# Altium PCB Thunderscope_Rev2.PCBDOC (part 3 of 6)
Units mm, origin at the board's own origin, x right, y up, seen from the top; angles counter-clockwise.
Board outline 119 x 104 mm, 6 copper layers (Top Layer, Int1 (GND), Int2 (Sign), Int3 (Sign), Int4 (GND), Bottom Layer), stack 1.49 mm thick; 547 components, 321 nets, 1905 pads, 1168 vias.
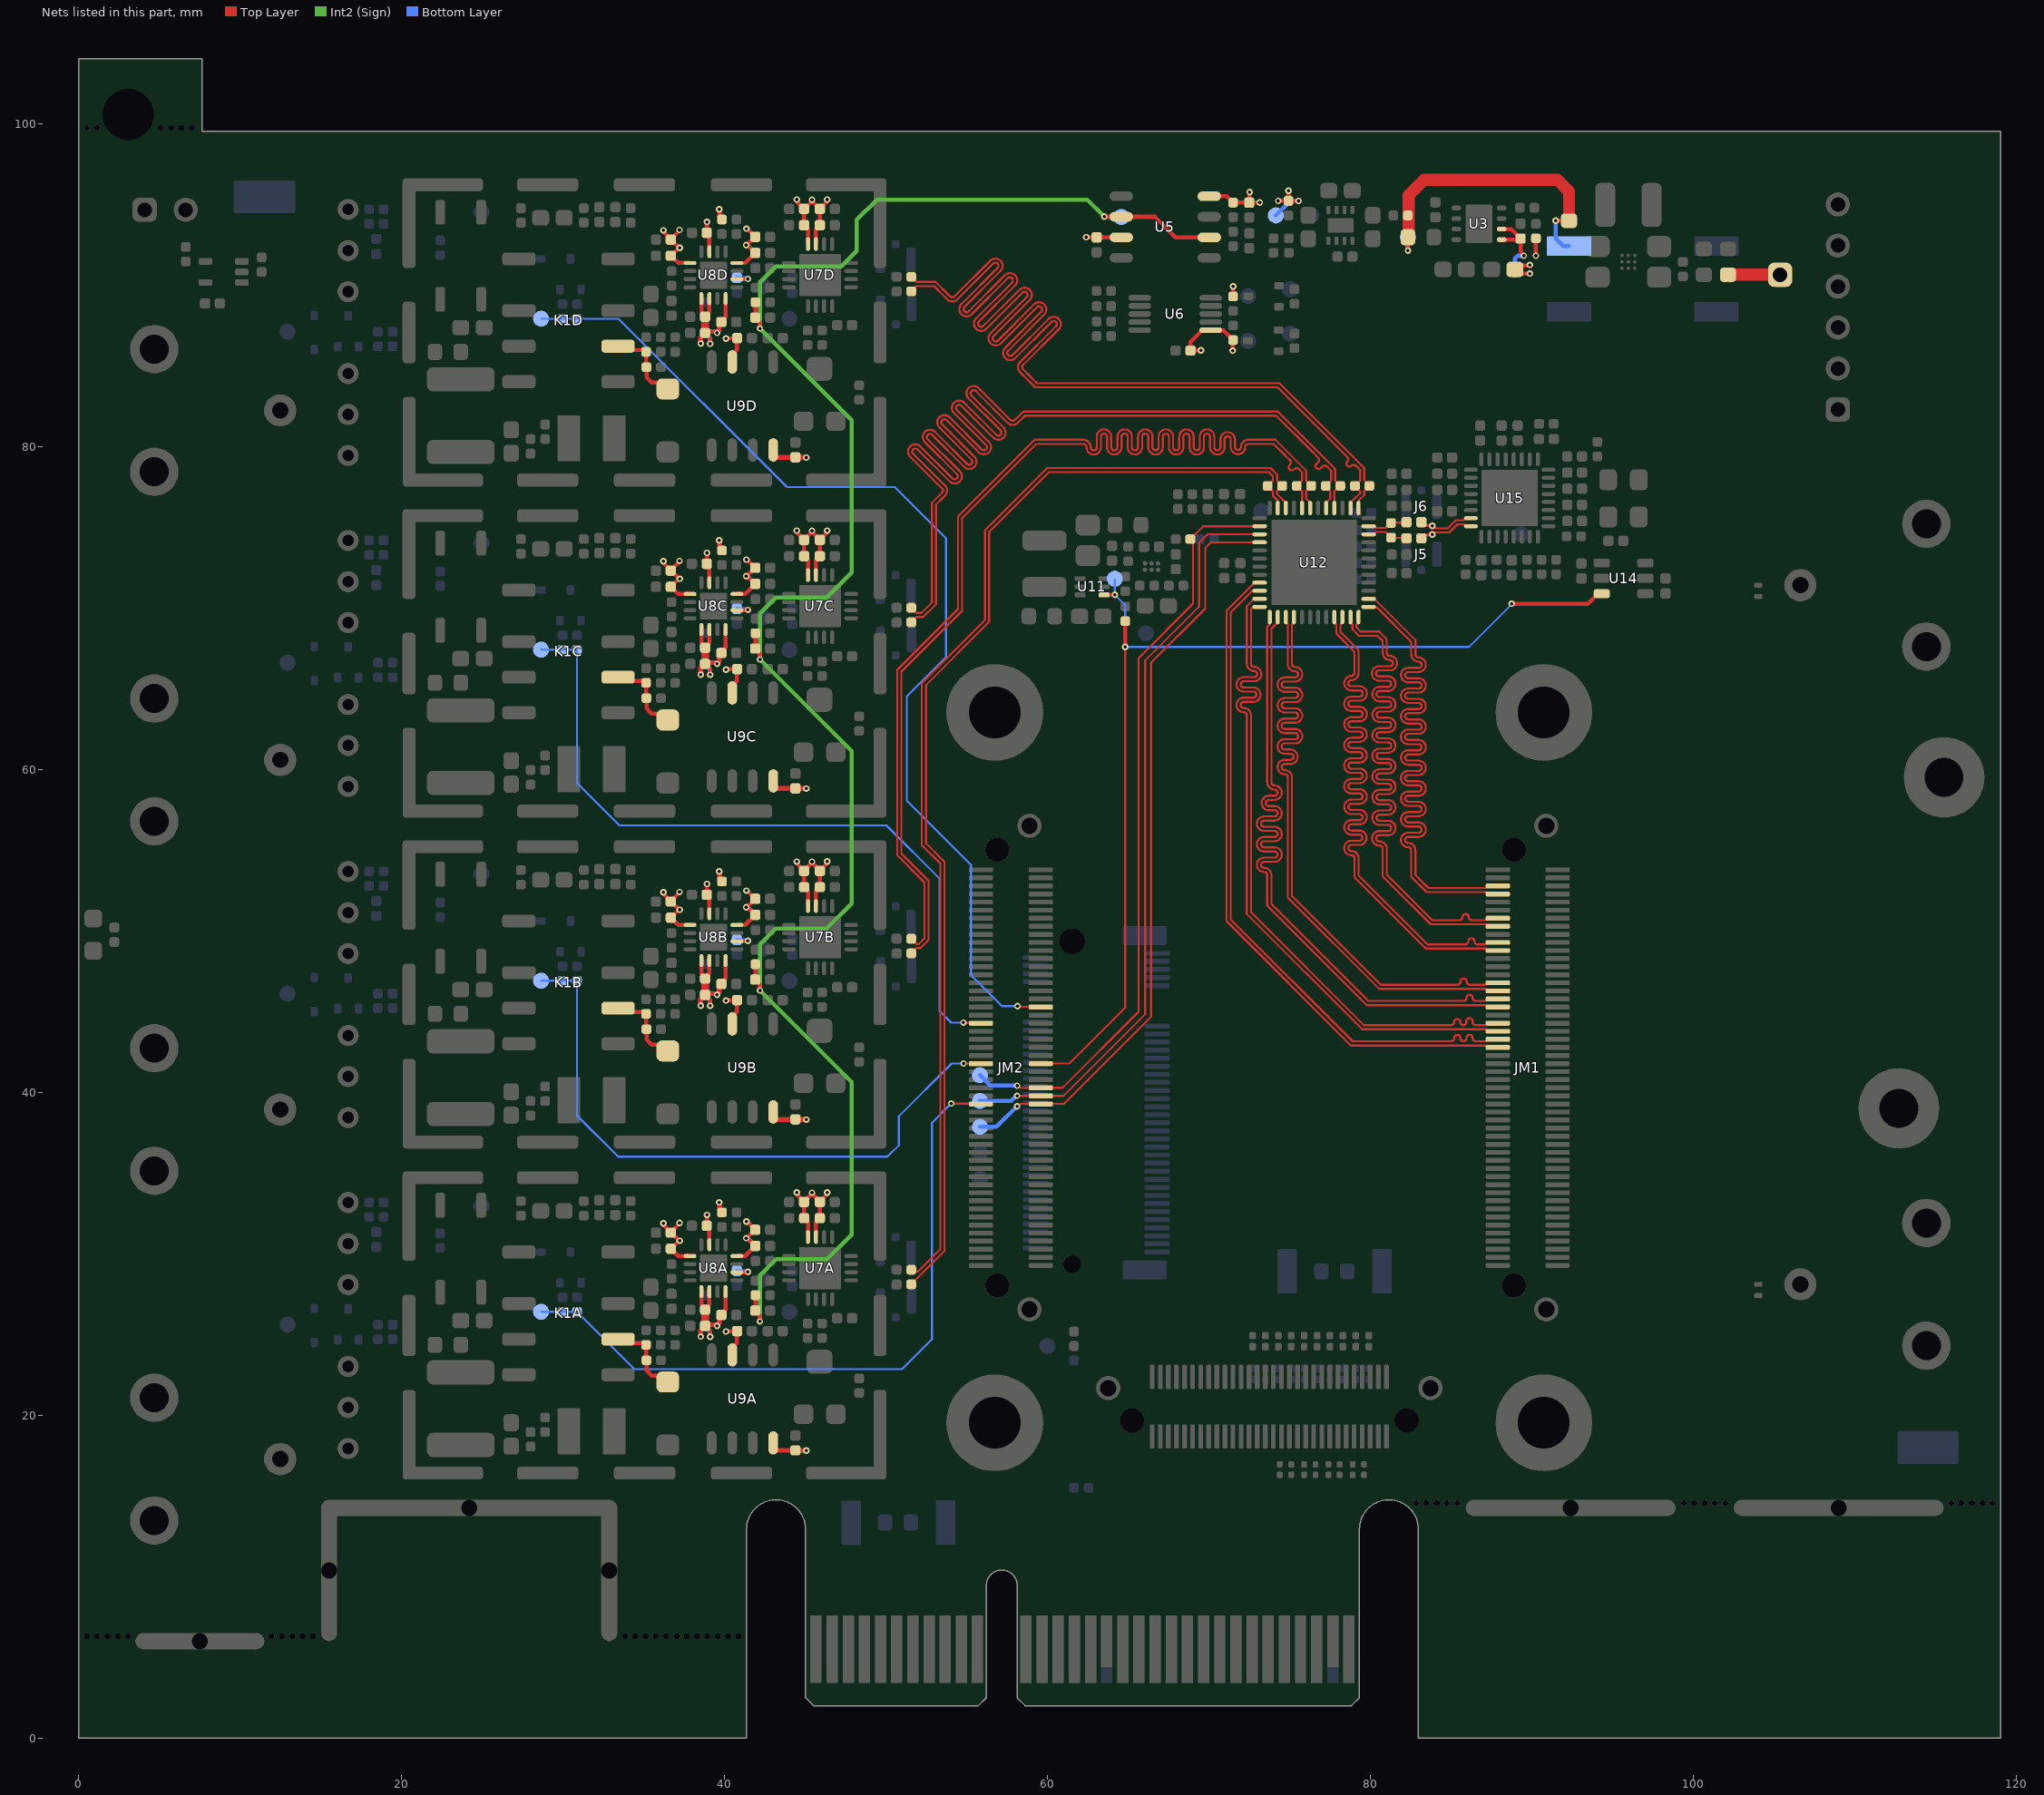
[diagram p7: the nets of this part, all layers, seen from the top]

## Via types
v1: diameter 0.406, hole 0.203, Top Layer to Bottom Layer, tented both sides, 1168 vias

## Nets (pads, with @x,y where several pads share a name; then routed paths per layer and width w, separated by ;. In a path a pad name is that pad's centre, name@x,y a point inside that pad or via, vN(x,y) a via of type N, cw(c..) or ccw(c..) an arc to the next point about the centre after c; other vN are vias at no path point) (continued)
+4V8: C4.2 C7.2 C12.1 C13.2 C22A.2 C22B.2 C22C.2 C22D.2 C23A.2 C23B.2 C23C.2 C23D.2 C24A.2 C24B.2 C24C.2 C24D.2 C25A.2 C25B.2 C25C.2 C25D.2 C31A.2 C31B.2 C31C.2 C31D.2 C32A.1 C32B.1 C32C.1 C32D.1 C33A.1 C33B.1 C33C.1 C33D.1 C34A.1 C34B.1 C34C.1 C34D.1 C35A.2 C35B.2 C35C.2 C35D.2 C36A.2 C36B.2 C36C.2 C36D.2 R10.2 R22.2 R23.2 R45A.2 R45B.2 R45C.2 R45D.2 TP10.1 U3.1 U3.2 U5.7 U6.1 U7A.3 U7A.4 U7B.3 U7B.4 U7C.3 U7C.4 U7D.3 U7D.4 U8A.1 U8A.12 U8A.15 U8B.1 U8B.12 U8B.15 U8C.1 U8C.12 U8C.15 U8D.1 U8D.12 U8D.15 U9A.7 U9B.7 U9C.7 U9D.7 | length 98.7
  Top Layer w0.25: v1(36.2,31.879) 36.24,31.84 36.24,31.739 36.66,31.319 C32A.1@36.66,31.3 C32A.1@36.679,31.3 ; v1(36.2,52.379) 36.24,52.34 36.24,52.239 36.66,51.819 C32B.1@36.66,51.8 C32B.1@36.679,51.8 ; v1(36.2,72.879) 36.24,72.84 36.24,72.739 36.66,72.319 C32C.1@36.66,72.3 C32C.1@36.679,72.3 ; v1(36.2,93.379) 36.24,93.34 36.24,93.239 36.66,92.819 C32D.1@36.66,92.8 C32D.1@36.679,92.8 ; C34A.1@36.66,30.3 36.678,30.3 37.126,29.852 37.848,29.852 U8A.1@37.85,29.85 ; C34B.1@36.66,50.8 36.678,50.8 37.126,50.352 37.848,50.352 U8B.1@37.85,50.35 ; C34C.1@36.66,71.3 36.678,71.3 37.126,70.852 37.848,70.852 U8C.1@37.85,70.85 ; C34D.1@36.66,91.8 36.678,91.8 37.126,91.352 37.848,91.352 U8D.1@37.85,91.35 ; C34A.1@36.679,30.3 37.176,30.797 v1(37.21,30.797) ; C34B.1@36.679,50.8 37.176,51.297 v1(37.21,51.297) ; C34C.1@36.679,71.3 37.176,71.797 v1(37.21,71.797) ; C34D.1@36.679,91.8 37.176,92.297 v1(37.21,92.297) ; v1@37.15,30.8 37.15,30.829 C32A.1@36.679,31.3 ; v1@37.15,51.3 37.15,51.329 C32B.1@36.679,51.8 ; v1@37.15,71.8 37.15,71.829 C32C.1@36.679,72.3 ; v1@37.15,92.3 37.15,92.329 C32D.1@36.679,92.8 ; v1(37.2,31.9) 37.2,31.859 36.679,31.338 C32A.1@36.679,31.3 ; v1(37.2,52.4) 37.2,52.359 36.679,51.838 C32B.1@36.679,51.8 ; v1(37.2,72.9) 37.2,72.859 36.679,72.338 C32C.1@36.679,72.3 ; v1(37.2,93.4) 37.2,93.359 36.679,92.838 C32D.1@36.679,92.8 ; v1(38.9,32.401) 38.893,32.393 38.893,31.732 C35A.2@38.885,31.725 39.05,31.56 U8A.15@39.05,30.55 ; v1(38.9,52.901) 38.893,52.893 38.893,52.232 C35B.2@38.885,52.225 39.05,52.06 U8B.15@39.05,51.05 ; v1(38.9,73.401) 38.893,73.393 38.893,72.733 C35C.2@38.885,72.725 39.05,72.56 U8C.15@39.05,71.55 ; v1(38.9,93.901) 38.893,93.893 38.893,93.233 C35D.2@38.885,93.225 39.05,93.06 U8D.15@39.05,92.05 ; v1(40.075,25.175) 40.087,25.187 40.747,25.187 40.747,24.472 40.465,24.19 U9A.7@40.465,23.725 ; v1(40.075,45.675) 40.087,45.687 40.747,45.687 40.747,44.972 40.465,44.69 U9B.7@40.465,44.225 ; v1(40.075,66.175) 40.087,66.188 40.747,66.188 40.747,65.472 40.465,65.19 U9C.7@40.465,64.725 ; v1(40.075,86.675) 40.087,86.687 40.747,86.687 40.747,85.972 40.465,85.69 U9D.7@40.465,85.225 ; U8A.12@40.75,29.85 41.265,29.85 C24A.2@41.89,30.475 41.871,30.475 41.428,30.918 41.367,30.918 v1(41.328,30.957) 41.354,30.957 C33A.1@41.871,31.475 ; U8B.12@40.75,50.35 41.265,50.35 C24B.2@41.89,50.975 41.871,50.975 41.428,51.418 41.367,51.418 v1(41.328,51.457) 41.354,51.457 C33B.1@41.871,51.975 ; U8C.12@40.75,70.85 41.265,70.85 C24C.2@41.89,71.475 41.871,71.475 41.428,71.918 41.367,71.918 v1(41.328,71.957) 41.354,71.957 C33C.1@41.871,72.475 ; U8D.12@40.75,91.35 41.265,91.35 C24D.2@41.89,91.975 41.871,91.975 41.428,92.418 41.367,92.418 v1(41.328,92.457) 41.354,92.457 C33D.1@41.871,92.975 ; v1(41.347,31.98) 41.366,31.98 41.871,31.475 C33A.1@41.89,31.475 ; v1(41.347,52.48) 41.366,52.48 41.871,51.975 C33B.1@41.89,51.975 ; v1(41.347,72.98) 41.366,72.98 41.871,72.475 C33C.1@41.89,72.475 ; v1(41.347,93.48) 41.366,93.48 41.871,92.975 C33D.1@41.89,92.975 ; v1(44.453,33.782) 44.493,33.742 44.493,33.636 C36A.2@44.91,33.219 ; v1(44.453,54.282) 44.493,54.242 44.493,54.136 C36B.2@44.91,53.719 ; v1(44.453,74.782) 44.493,74.742 44.493,74.636 C36C.2@44.91,74.219 ; v1(44.453,95.282) 44.493,95.242 44.493,95.136 44.91,94.719 C36D.2@44.91,94.7 ; U7A.4@45.15,31.025 45.15,31.941 44.91,32.181 C22A.2@44.91,32.2 C36A.2@44.91,33.219 ; U7B.4@45.15,51.525 45.15,52.441 44.91,52.681 C22B.2@44.91,52.7 C36B.2@44.91,53.719 ; U7C.4@45.15,72.025 45.15,72.941 44.91,73.181 C22C.2@44.91,73.2 C36C.2@44.91,74.219 ; U7D.4@45.15,92.525 45.15,93.441 44.91,93.681 C22D.2@44.91,93.7 C36D.2@44.91,94.7 ; U7A.3@45.65,31.025 45.65,31.941 45.89,32.181 C23A.2@45.89,32.2 C25A.2@45.89,33.2 C25A.2@45.89,33.219 ; U7B.3@45.65,51.525 45.65,52.441 45.89,52.681 C23B.2@45.89,52.7 C25B.2@45.89,53.7 C25B.2@45.89,53.719 ; U7C.3@45.65,72.025 45.65,72.941 45.89,73.181 C23C.2@45.89,73.2 C25C.2@45.89,74.2 C25C.2@45.89,74.219 ; U7D.3@45.65,92.525 45.65,93.441 45.89,93.681 C23D.2@45.89,93.7 C25D.2@45.89,94.7 45.43,95.16 45.43,95.245 v1(45.4,95.275) 45.37,95.245 45.37,95.16 C36D.2@44.91,94.7 ; C25D.2@45.89,94.719 46.303,95.132 46.303,95.245 v1(46.342,95.285) ; v1(46.342,33.785) 46.303,33.745 46.303,33.632 C25A.2@45.89,33.219 ; v1(46.342,54.285) 46.303,54.245 46.303,54.132 C25B.2@45.89,53.719 ; v1(46.342,74.785) 46.303,74.745 46.303,74.632 C25C.2@45.89,74.219 ; C36A.2@44.91,33.219 45.36,33.669 45.36,33.735 v1(45.4,33.775) 45.44,33.735 45.44,33.669 C25A.2@45.89,33.219 ; C36B.2@44.91,53.719 45.36,54.169 45.36,54.235 v1(45.4,54.275) 45.44,54.235 45.44,54.169 C25B.2@45.89,53.719 ; C36C.2@44.91,74.219 45.36,74.669 45.36,74.735 v1(45.4,74.775) 45.44,74.735 45.44,74.669 C25C.2@45.89,74.219
  Top Layer w0.254: v1(62.375,92.95) 62.38,92.945 63.02,92.945 C12.1@63.025,92.94 63.027,92.943 64.548,92.943 U5.7@64.55,92.945 ; C13.2@68.835,85.93 C13.2@68.845,85.94 ; C13.2@68.845,85.91 C13.2@68.85,85.915 ; v1(69.485,85.95) 69.475,85.94 C13.2@68.845,85.94 ; v1(71.45,85.925) 71.462,85.937 71.462,86.568 R22.2@71.475,86.58 70.878,87.177 70.109,87.177 U6.1@70.09,87.195 69.565,87.195 68.852,86.482 68.852,85.947 C13.2@68.845,85.94 ; R23.2@71.475,89.28 v1(71.475,89.91) ; U3.1@88.1,92.805 89.218,92.805 C4.2@89.275,92.862 ; U3.2@88.1,93.455 88.69,93.455 C4.2@89.275,92.87 89.275,92.041 89.475,91.841 v1(89.475,91.8) ; v1(89.85,90.7) 89.18,90.7 C7.2@88.925,90.955 89.174,91.204 89.821,91.204 v1(89.85,91.233) ; v1(90.225,91.8) R10.2@90.225,92.875
  Bottom Layer w0.25: v1(41.328,30.957) 41.367,30.918 41.469,30.918 41.886,30.5 R45A.2@41.9,30.5 ; v1(41.328,51.457) 41.367,51.418 41.469,51.418 41.886,51 R45B.2@41.9,51 ; v1(41.328,71.957) 41.367,71.918 41.469,71.918 41.886,71.5 R45C.2@41.9,71.5 ; v1(41.328,92.457) 41.367,92.418 41.469,92.418 41.886,92 R45D.2@41.9,92
  Bottom Layer w0.254: TP10.1@88.925,90.95 88.925,91.625 89.1,91.8 v1(89.475,91.8) v1@89.446,91.771
+5V: R4.2 R7.1 R8.1 TP4.1 TP13.1 | length 19.7
  Top Layer w0.254: v1(82.3,92.12) R7.1@82.3,92.95 ; v1(91.445,93.975) R4.2@92.275,93.975
  Top Layer w0.75: R7.1@82.3,92.95 82.35,93 82.35,95.55 83.298,96.498 91.564,96.498 92.275,95.787 R4.2@92.275,93.975
  Bottom Layer w0.254: v1(82.3,92.12) TP13.1@82.3,92.95 ; v1(91.445,93.975) 91.445,92.873 91.918,92.4 TP4.1@92.275,92.4
+VUSB: R3.2 TP7.1 | length 3.2
  Top Layer w0.75: R3.2@102.125,90.625 TP7.1@105.35,90.625
-2V5_REF: C28A.1 C28B.1 C28C.1 C28D.1 R47A.1 R47B.1 R47C.1 R47D.1 TP19.1 U5.2 U5.6 | length 124.1
  Top Layer w0.25: R47A.1@41.9,27.425 41.895,27.42 41.895,26.48 C28A.1@41.89,26.475 41.89,26.456 42.155,26.191 42.155,25.82 v1(42.175,25.8) ; R47B.1@41.9,47.925 41.895,47.92 41.895,46.98 C28B.1@41.89,46.975 41.89,46.956 42.155,46.691 42.155,46.32 v1(42.175,46.3) ; R47C.1@41.9,68.425 41.895,68.42 41.895,67.48 C28C.1@41.89,67.475 41.89,67.456 42.155,67.191 42.155,66.82 v1(42.175,66.8) ; R47D.1@41.9,88.925 41.895,88.92 41.895,87.98 C28D.1@41.89,87.975 41.89,87.956 42.155,87.691 42.155,87.32 v1(42.175,87.3)
  Top Layer w0.254: v1(63.495,94.226) 63.5,94.22 64.545,94.22 U5.6@64.55,94.215 66.635,94.215 67.905,92.945 U5.2@70,92.945
  Int2 (Sign) w0.254: v1(42.175,25.8) 42.175,28.65 43.168,29.643 46.318,29.643 47.85,31.175 47.85,40.625 v1(42.175,46.3) 42.175,49.15 43.168,50.143 46.318,50.143 47.85,51.675 47.85,61.125 v1(42.175,66.8) 42.175,69.65 43.168,70.643 46.318,70.643 47.85,72.175 47.85,81.625 v1(42.175,87.3) 42.175,90.15 43.168,91.143 47.218,91.143 48.175,92.1 48.175,94.025 49.425,95.275 62.445,95.275 v1(63.495,94.226)
  Bottom Layer w0.254: v1(63.495,94.226) 63.508,94.213 64.537,94.213 TP19.1@64.55,94.2
-4V8: C14.2 C37A.2 C37B.2 C37C.2 C37D.2 C38A.2 C38B.2 C38C.2 C38D.2 C39A.1 C39B.1 C39C.1 C39D.1 C63A.1 C63B.1 C63C.1 C63D.1 C64A.1 C64B.1 C64C.1 C64D.1 C78A.2 C78B.2 C78C.2 C78D.2 R9.2 R16.1 R32A.2 R32B.2 R32C.2 R32D.2 R51A.1 R51B.1 R51C.1 R51D.1 TP15.1 U5.4 U8A.5 U8A.6 U8A.8 U8A.10 U8B.5 U8B.6 U8B.8 U8B.10 U8C.5 U8C.6 U8C.8 U8C.10 U8D.5 U8D.6 U8D.8 U8D.10 U9A.4 U9B.4 U9C.4 U9D.4 | length 71.4
  Top Layer w0.127: C38A.2@38.785,26.525 C38A.2@38.785,26.577 ; C38B.2@38.785,47.025 C38B.2@38.785,47.077 ; C38C.2@38.785,67.525 C38C.2@38.785,67.577 ; C38D.2@38.785,88.025 C38D.2@38.785,88.077 ; C37A.2@39.79,26.2 C37A.2@39.79,26.252 ; C37B.2@39.79,46.7 C37B.2@39.79,46.752 ; C37C.2@39.79,67.2 C37C.2@39.79,67.252 ; C37D.2@39.79,87.7 C37D.2@39.79,87.752
  Top Layer w0.25: U8A.5@38.55,27.65 38.55,26.812 38.785,26.577 39.05,26.842 U8A.6@39.05,27.65 ; U8B.5@38.55,48.15 38.55,47.312 38.785,47.077 39.05,47.342 U8B.6@39.05,48.15 ; U8C.5@38.55,68.65 38.55,67.812 38.785,67.577 39.05,67.842 U8C.6@39.05,68.65 ; U8D.5@38.55,89.15 38.55,88.312 38.785,88.077 39.05,88.342 U8D.6@39.05,89.15 ; C39A.1@38.785,25.525 38.91,25.65 38.959,25.601 39.394,25.601 39.47,25.525 v1(39.525,25.525) ; C39B.1@38.785,46.025 38.91,46.15 38.959,46.101 39.394,46.101 39.47,46.025 v1(39.525,46.025) ; C39C.1@38.785,66.525 38.91,66.65 38.959,66.601 39.394,66.601 39.47,66.525 v1(39.525,66.525) ; C39D.1@38.785,87.025 38.91,87.15 38.959,87.101 39.394,87.101 39.47,87.025 v1(39.525,87.025) ; C39A.1@38.879,25.413 39.079,25.213 39.079,24.871 v1(39.1,24.85) ; C39B.1@38.879,45.913 39.079,45.713 39.079,45.371 v1(39.1,45.35) ; C39C.1@38.879,66.413 39.079,66.213 39.079,65.871 v1(39.1,65.85) ; C39D.1@38.879,86.913 39.079,86.713 39.079,86.371 v1(39.1,86.35) ; C37A.2@39.79,26.252 40.05,26.512 U8A.8@40.05,27.65 ; C37B.2@39.79,46.752 40.05,47.012 U8B.8@40.05,48.15 ; C37C.2@39.79,67.252 40.05,67.512 U8C.8@40.05,68.65 ; C37D.2@39.79,87.752 40.05,88.012 U8D.8@40.05,89.15 ; U8A.10@40.75,28.85 41.414,28.85 v1(41.434,28.869) ; U8B.10@40.75,49.35 41.414,49.35 v1(41.434,49.369) ; U8C.10@40.75,69.85 41.414,69.85 v1(41.434,69.869) ; U8D.10@40.75,90.35 41.414,90.35 v1(41.434,90.369) ; U5.4@70,95.485 71.08,95.485 R16.1@71.475,95.09 C14.2@72.475,95.09 72.487,95.103 72.487,95.728 v1(72.5,95.74) ; C14.2@72.48,95.095 73.12,95.095 v1(73.125,95.1) ; v1(74.27,95.2) R9.2@74.9,95.2 ; v1(74.9,95.83) R9.2@74.9,95.2 ; v1(75.53,95.2) R9.2@74.9,95.2
  Top Layer w0.3: v1(38.512,24.862) 38.512,25.246 38.777,25.511 C39A.1@38.777,25.517 ; v1(38.512,45.362) 38.512,45.746 38.777,46.011 C39B.1@38.777,46.017 ; v1(38.512,65.862) 38.512,66.246 38.777,66.511 C39C.1@38.777,66.517 ; v1(38.512,86.362) 38.512,86.746 38.777,87.011 C39D.1@38.777,87.017 ; v1(39.525,25.525) 39.525,25.568 39.648,25.691 39.648,26.058 C37A.2@39.79,26.2 ; v1(39.525,46.025) 39.525,46.068 39.648,46.191 39.648,46.558 C37B.2@39.79,46.7 ; v1(39.525,66.525) 39.525,66.568 39.648,66.691 39.648,67.058 C37C.2@39.79,67.2 ; v1(39.525,87.025) 39.525,87.068 39.648,87.191 39.648,87.558 C37D.2@39.79,87.7 ; v1(39.65,33.175) 39.68,33.145 39.68,32.695 R51A.1@39.825,32.55 ; v1(39.65,53.675) 39.68,53.645 39.68,53.195 R51B.1@39.825,53.05 ; v1(39.65,74.175) 39.68,74.145 39.68,73.695 R51C.1@39.825,73.55 ; v1(39.65,94.675) 39.68,94.645 39.68,94.195 R51D.1@39.825,94.05 ; U9A.4@43.005,18.275 43.005,17.954 43.144,17.815 C64A.1@44.375,17.815 44.382,17.807 45.043,17.807 v1(45.051,17.8) ; U9B.4@43.005,38.775 43.005,38.454 43.144,38.315 C64B.1@44.375,38.315 44.382,38.307 45.043,38.307 v1(45.051,38.3) ; U9C.4@43.005,59.275 43.005,58.954 43.144,58.815 C64C.1@44.375,58.815 44.382,58.807 45.043,58.807 v1(45.051,58.8) ; U9D.4@43.005,79.775 43.005,79.454 43.144,79.315 C64D.1@44.375,79.315 44.382,79.307 45.043,79.307 v1(45.051,79.3)
  Top Layer w0.5: C39A.1@38.785,25.525 C38A.2@38.785,26.525 ; C39B.1@38.785,46.025 C38B.2@38.785,47.025 ; C39C.1@38.785,66.525 C38C.2@38.785,67.525 ; C39D.1@38.785,87.025 C38D.2@38.785,88.025
  Bottom Layer w0.25: v1(38.512,24.862) 38.496,24.877 38.496,25.217 38.785,25.506 C78A.2@38.785,25.525 38.858,25.598 39.409,25.598 39.482,25.525 v1(39.525,25.525) ; v1(38.512,45.362) 38.496,45.377 38.496,45.717 38.785,46.006 C78B.2@38.785,46.025 38.858,46.098 39.409,46.098 39.482,46.025 v1(39.525,46.025) ; v1(38.512,65.862) 38.496,65.877 38.496,66.217 38.785,66.506 C78C.2@38.785,66.525 38.858,66.598 39.409,66.598 39.482,66.525 v1(39.525,66.525) ; v1(38.512,86.362) 38.496,86.377 38.496,86.717 38.785,87.006 C78D.2@38.785,87.025 38.858,87.098 39.409,87.098 39.482,87.025 v1(39.525,87.025) ; R32A.2@38.775,26.525 38.78,26.52 C78A.2@38.78,25.53 ; R32B.2@38.775,47.025 38.78,47.02 C78B.2@38.78,46.03 ; R32C.2@38.775,67.525 38.78,67.52 C78C.2@38.78,66.53 ; R32D.2@38.775,88.025 38.78,88.02 C78D.2@38.78,87.03 ; C78A.2@38.785,25.52 39.07,25.235 39.07,24.88 v1(39.1,24.85) ; C78B.2@38.785,46.02 39.07,45.735 39.07,45.38 v1(39.1,45.35) ; C78C.2@38.785,66.52 39.07,66.235 39.07,65.88 v1(39.1,65.85) ; C78D.2@38.785,87.02 39.07,86.735 39.07,86.38 v1(39.1,86.35) ; C63A.1@40.75,28.935 40.783,28.902 41.401,28.902 v1(41.434,28.869) ; C63B.1@40.75,49.435 40.783,49.402 41.401,49.402 v1(41.434,49.369) ; C63C.1@40.75,69.935 40.783,69.902 41.401,69.902 v1(41.434,69.869) ; C63D.1@40.75,90.435 40.783,90.402 41.401,90.402 v1(41.434,90.369) ; TP15.1@74.125,94.3 74.9,95.075 v1(74.9,95.83)
ACQ_EN: JM2.52 R38.2 TP33.1 U11.4 U14.3 | length 66.6
  Top Layer w0.127: JM2.52@59.567,41.771 61.346,41.771 64.8,45.225 v1(64.8,67.575)
  Top Layer w0.254: U11.4@63.49,70.8 v1(64.155,70.8) ; v1(64.8,67.575) R38.2@64.8,69.175 ; v1(88.725,70.25) 93.45,70.25 94.075,70.875 U14.3@94.3,70.875
  Bottom Layer w0.127: TP33.1@64.15,71.75 64.153,71.747 64.153,70.803 v1(64.155,70.8) 64.8,70.155 v1(64.8,67.575) 86.085,67.575 88.725,70.215 v1(88.725,70.25)
ADC_CLK_C_N: C104.1 R64.1 U12.34 | length 2.6
  Top Layer w0.127: U12.34@79.868,74.55 80.186,74.55 80.329,74.693 80.915,74.693 R64.1@81.257,74.35 81.282,74.325 82.19,74.325 C104.1@82.215,74.3
ADC_CLK_C_P: C103.1 R64.2 U12.35 | length 2.5
  Top Layer w0.127: U12.35@79.868,75.05 80.226,75.05 80.329,74.947 80.907,74.947 81.21,75.25 R64.2@81.257,75.25 81.282,75.275 82.19,75.275 C103.1@82.215,75.3
ADC_CLK_N: C104.2 J5.1 U15.24 | length 4.2
  Top Layer w0.127: C104.2@83.135,74.3 83.187,74.3 83.43,74.542 v1@83.776,74.542 ; v1(83.804,74.54) 83.879,74.54 84.007,74.668 84.206,74.668 84.868,74.668 85.371,75.171 85.764,75.171 85.885,75.05 U15.24@86.2,75.05
  Bottom Layer w0.127: J5.1@83.125,74.3 83.19,74.3 83.43,74.54 v1@83.779,74.54
ADC_CLK_P: C103.2 J6.1 U15.23 | length 4.2
  Top Layer w0.127: C103.2@83.135,75.3 83.332,75.103 83.429,75.103 83.459,75.073 v1@83.781,75.073 ; v1(83.806,75.073) 83.872,75.073 84.02,74.925 84.407,74.925 84.761,74.925 85.265,75.429 85.764,75.429 85.885,75.55 U15.23@86.2,75.55
  Bottom Layer w0.127: J6.1@83.125,75.3 83.19,75.3 83.417,75.073 v1@83.781,75.073
ADC_CSn: JM2.46 R42.1 TP29.1 U12.2 | length 47.5
  Top Layer w0.127: v1(58.1,40.4) 58.176,40.4 58.317,40.258 59.555,40.258 JM2.46@59.567,40.271 60.921,40.271 65.625,44.975 65.625,66.875 69,70.25 69,74.15 R42.1@68.863,74.287 ; R42.1@68.825,74.25 69.625,75.05 U12.2@73.118,75.05
  Bottom Layer w0.254: TP29.1@55.8,41.05 56.45,40.4 v1(58.1,40.4)
ADC_SCLK: JM2.42 TP35.1 U12.4 | length 47.4
  Top Layer w0.127: v1(58.1,39.125) 58.176,39.125 58.323,39.273 59.565,39.273 JM2.42@59.567,39.271 60.996,39.271 66.4,44.675 66.4,66.6 69.75,69.95 69.75,73.7 70.1,74.05 U12.4@73.118,74.05
  Bottom Layer w0.254: TP35.1@55.8,37.85 56.825,37.85 v1(58.1,39.125)
ADC_SDATA: JM2.44 TP34.1 U12.3 | length 47
  Top Layer w0.127: v1(58.1,39.775) 58.102,39.773 59.54,39.773 JM2.44@59.542,39.775 ; JM2.44@59.567,39.771 60.971,39.771 66.025,44.825 66.025,66.725 69.375,70.075 69.375,74.025 69.9,74.55 U12.3@73.118,74.55
  Bottom Layer w0.254: TP34.1@55.8,39.45 57.734,39.45 58.059,39.775 v1(58.1,39.775)
ATTEN_1: JM2.41 R27A.2 R28A.2 TP25A.1 | length 43.4
  Top Layer w0.127: v1(54.025,39.3) 54.04,39.285 JM2.41@55.877,39.285
  Bottom Layer w0.127: TP25A.1@28.625,26.4 R28A.2@29.95,26.4 R27A.2@30.85,26.4 34.4,22.85 50.975,22.85 52.825,24.7 52.825,38.1 v1(54.025,39.3)
ATTEN_2: JM2.51 R27B.2 R28B.2 TP25B.1 | length 40.1
  Top Layer w0.127: v1@54.789,41.773 JM2.51@55.831,41.773
  Bottom Layer w0.127: TP25B.1@28.625,46.9 R28B.2@29.95,46.9 R27B.2@30.85,46.9 30.85,38.55 33.4,36 50.066,36 50.775,36.709 50.775,38.5 54.05,41.775 v1(54.787,41.775)
ATTEN_3: JM2.61 R27C.2 R28C.2 TP25C.1 | length 46.5
  Top Layer w0.127: v1(54.775,44.308) 54.793,44.289 55.848,44.289 JM2.61@55.865,44.273
  Bottom Layer w0.127: TP25C.1@28.625,67.4 R28C.2@29.95,67.4 R27C.2@30.85,67.4 30.85,59.15 33.475,56.525 50,56.525 53.3,53.225 53.3,45.025 54.017,44.308 v1(54.775,44.308)
ATTEN_4: JM2.66 R27D.2 R28D.2 TP25D.1 | length 65.5
  Top Layer w0.127: v1(58.125,45.325) 58.165,45.285 59.552,45.285 JM2.66@59.565,45.273
  Bottom Layer w0.127: TP25D.1@28.625,87.9 R28D.2@29.95,87.9 R27D.2@30.85,87.9 33.425,87.9 43.85,77.475 50.525,77.475 53.7,74.3 53.7,66.941 51.275,64.516 51.275,58.05 55.25,54.075 55.25,47.25 57.175,45.325 v1(58.125,45.325)
ATTEN_OUTA: C18A.1 K1A.6 R31A.1 R41A.2 | length 5.1
  Top Layer w0.25: K1A.6@33.395,24.7 33.638,24.457 35.018,24.457 35.137,24.337 35.137,23.412 R41A.2@35.15,23.4 35.15,22.775 35.479,22.446 36.079,22.446 C18A.1@36.475,22.05
ATTEN_OUTB: C18B.1 K1B.6 R31B.1 R41B.2 | length 5.1
  Top Layer w0.25: K1B.6@33.395,45.2 33.638,44.957 35.018,44.957 35.137,44.837 35.137,43.912 R41B.2@35.15,43.9 35.15,43.275 35.479,42.946 36.079,42.946 C18B.1@36.475,42.55
ATTEN_OUTC: C18C.1 K1C.6 R31C.1 R41C.2 | length 5.1
  Top Layer w0.25: K1C.6@33.395,65.7 33.638,65.457 35.018,65.457 35.137,65.337 35.137,64.413 R41C.2@35.15,64.4 35.15,63.775 35.479,63.446 36.079,63.446 C18C.1@36.475,63.05
ATTEN_OUTD: C18D.1 K1D.6 R31D.1 R41D.2 | length 5.1
  Top Layer w0.25: K1D.6@33.395,86.2 33.638,85.957 35.018,85.957 35.137,85.837 35.137,84.912 R41D.2@35.15,84.9 35.15,84.275 35.479,83.946 36.079,83.946 C18D.1@36.475,83.55
CH1_N: R40A.2 R57.2 U12.47 | length 71.1
  Top Layer w0.127: R40A.2@51.55,28.1 51.55,28.11 53.6,30.16 53.6,54.264 52.457,55.407 52.457,65.218 56.375,69.136 56.375,74.7 60.075,78.4 72.135,78.4 73.686,78.4 73.76,78.327 73.943,78.143 73.943,77.875 R57.2@73.618,77.55 73.942,77.226 73.942,76.937 74.22,76.66 U12.47@74.22,76.199
CH1_P: R30A.2 R57.1 U12.46 | length 71.1
  Top Layer w0.127: R30A.2@51.55,29 51.66,28.89 51.966,28.89 53.343,30.267 53.343,54.157 52.2,55.3 52.2,65.325 56.118,69.243 56.118,74.807 59.968,78.657 73.793,78.657 74.2,78.25 74.2,77.868 R57.1@74.518,77.55 74.2,77.231 74.2,77.044 74.529,76.714 U12.46@74.743,76.5